# Altium PCB PCB-FPGA.PcbDoc (part 2 of 2) (continued)
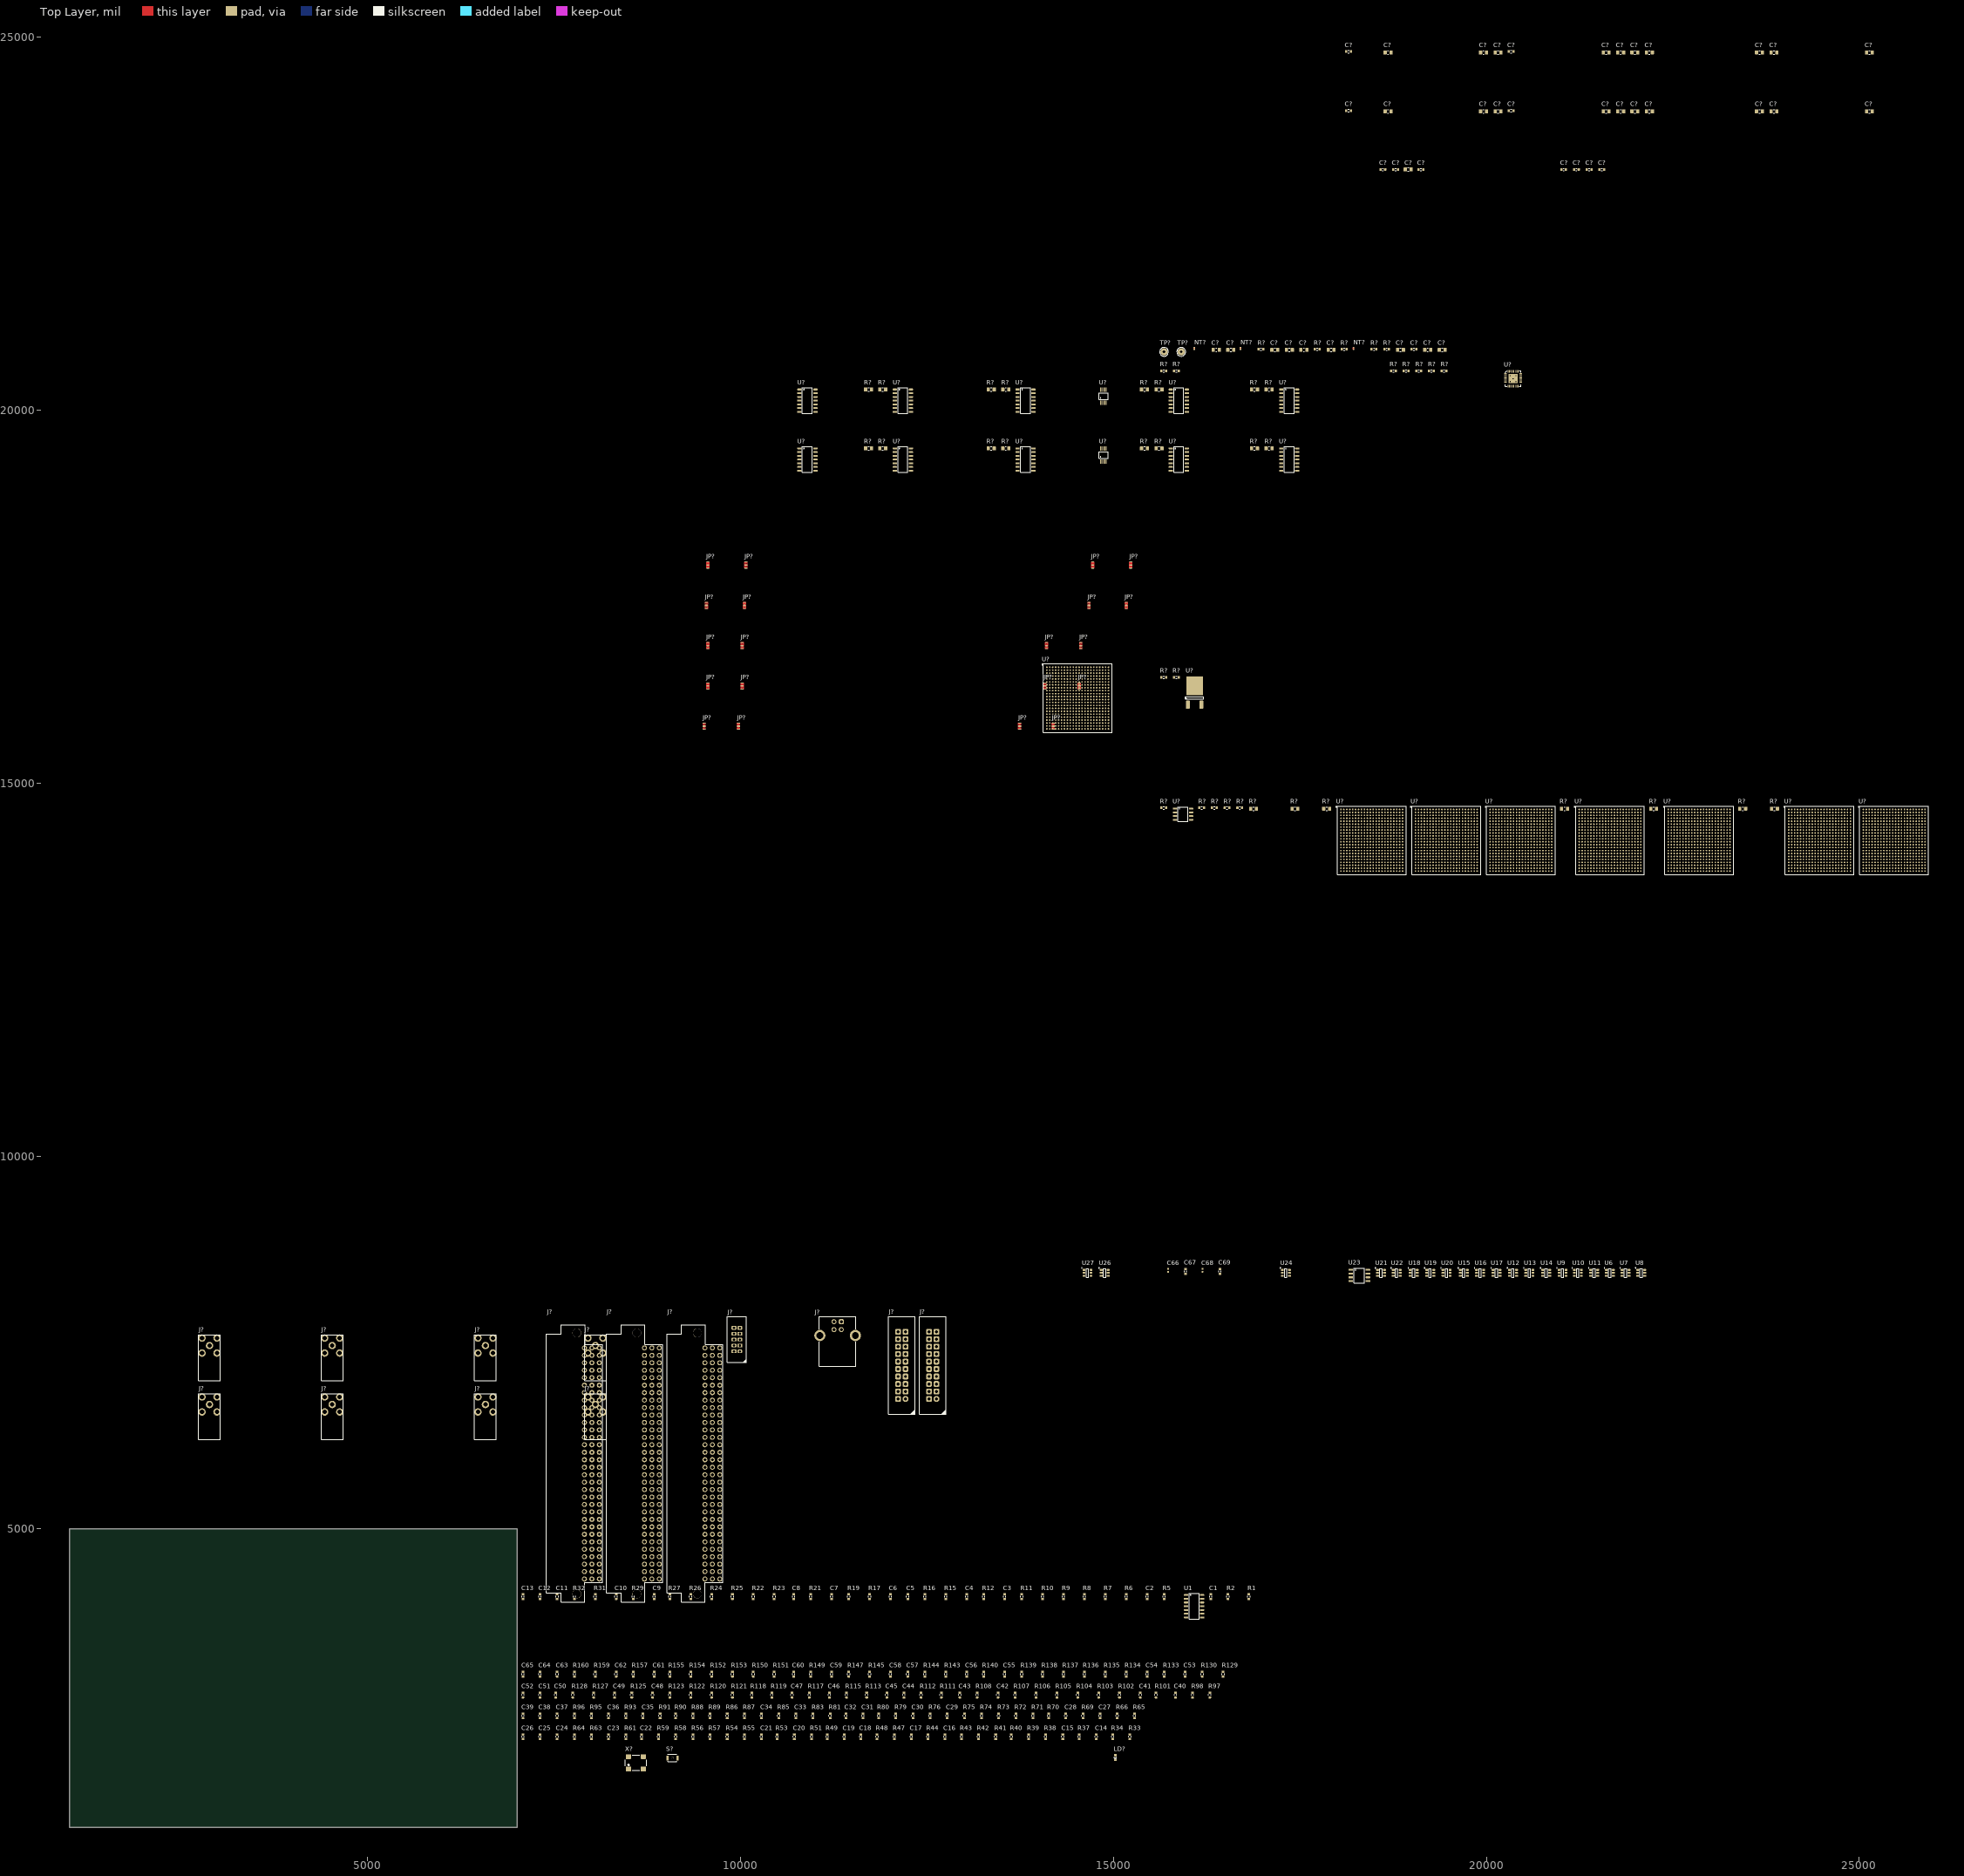
[diagram p0: Top Layer view]
## Nets (pads, with @x,y where several pads share a name; then routed paths per layer and width w, separated by ;. In a path a pad name is that pad's centre, name@x,y a point inside that pad or via, vN(x,y) a via of type N, cw(c..) or ccw(c..) an arc to the next point about the centre after c; other vN are vias at no path point) (continued)
U?.G12@25486.97,14412.17 U?.G13 U?.G14@18560.71,14412.17 U?.G14@19560.71,14412.17 U?.G14@20560.71,14412.17 U?.G14@21755.71,14412.17 U?.G14@22950.71,14412.17 U?.G14@24565.71,14412.17 U?.G14@25565.71,14412.17 U?.G15@14656.65,16319.33 U?.G15@18600.08,14412.17 U?.G15@19600.08,14412.17 U?.G15@20600.08,14412.17 U?.G15@21795.08,14412.17 U?.G15@24605.08,14412.17 U?.G15@25605.08,14412.17 U?.G16 U?.G17 U?.G18@14774.76,16319.33 U?.G18@18718.19,14412.17 U?.G18@19718.19,14412.17 U?.G18@20718.19,14412.17 U?.G18@21913.19,14412.17 U?.G18@23108.19,14412.17 U?.G18@24723.19,14412.17 U?.G19 U?.G20 U?.G21@18836.3,14412.17 U?.G21@19836.3,14412.17 U?.G21@20836.3,14412.17 U?.G21@22031.3,14412.17 U?.G21@23226.3,14412.17 U?.G21@24841.3,14412.17 U?.G21@25841.3,14412.17 U?.G22 U?.H1 U?.H2 U?.H3 U?.H4 U?.H5 U?.H6 U?.H7@14341.69,16279.96 U?.H7@18285.12,14372.8 U?.H7@19285.12,14372.8 U?.H7@20285.12,14372.8 U?.H7@21480.12,14372.8 U?.H7@22675.12,14372.8 U?.H7@24290.12,14372.8 U?.H8 U?.H9@18363.86,14372.8 U?.H9@19363.86,14372.8 U?.H9@20363.86,14372.8 U?.H9@21558.86,14372.8 U?.H9@22753.86,14372.8 U?.H9@24368.86,14372.8 U?.H9@25368.86,14372.8 U?.H10 U?.H11 U?.H12 U?.H13 U?.H14 U?.H15@18600.08,14372.8 U?.H15@19600.08,14372.8 U?.H15@20600.08,14372.8 U?.H15@21795.08,14372.8 U?.H15@22990.08,14372.8 U?.H15@24605.08,14372.8 U?.H15@25605.08,14372.8 U?.H16 U?.H17 U?.H18 U?.H19 U?.H20 U?.H21 U?.H22 U?.J1 U?.J2@14144.84,16240.59 U?.J2@18088.27,14333.43 U?.J2@19088.27,14333.43 U?.J2@20088.27,14333.43 U?.J2@21283.27,14333.43 U?.J2@22478.27,14333.43 U?.J2@24093.27,14333.43 U?.J3 U?.J4 U?.J5@18206.38,14333.43 U?.J5@19206.38,14333.43 U?.J5@20206.38,14333.43 U?.J5@21401.38,14333.43 U?.J5@22596.38,14333.43 U?.J5@24211.38,14333.43 U?.J5@25211.38,14333.43 U?.J6 U?.J7 U?.J8@18324.49,14333.43 U?.J8@19324.49,14333.43 U?.J8@20324.49,14333.43 U?.J8@21519.49,14333.43 U?.J8@22714.49,14333.43 U?.J8@24329.49,14333.43 U?.J8@25329.49,14333.43 U?.J9@14420.43,16240.59 U?.J9@18363.86,14333.43 U?.J9@19363.86,14333.43 U?.J9@20363.86,14333.43 U?.J9@21558.86,14333.43 U?.J9@22753.86,14333.43 U?.J9@24368.86,14333.43 U?.J10@18403.23,14333.43 U?.J10@19403.23,14333.43 U?.J10@20403.23,14333.43 U?.J10@21598.23,14333.43 U?.J10@22793.23,14333.43 U?.J10@24408.23,14333.43 U?.J10@25408.23,14333.43 U?.J11@14499.17,16240.59 U?.J11@18442.6,14333.43 U?.J11@19442.6,14333.43 U?.J11@20442.6,14333.43 U?.J11@21637.6,14333.43 U?.J11@22832.6,14333.43 U?.J11@24447.6,14333.43 U?.J12@18481.97,14333.43 U?.J12@19481.97,14333.43 U?.J12@20481.97,14333.43 U?.J12@21676.97,14333.43 U?.J12@22871.97,14333.43 U?.J12@24486.97,14333.43 U?.J12@25486.97,14333.43 U?.J13@14577.91,16240.59 U?.J13@18521.34,14333.43 U?.J13@19521.34,14333.43 U?.J13@20521.34,14333.43 U?.J13@21716.34,14333.43 U?.J13@22911.34,14333.43 U?.J13@24526.34,14333.43 U?.J14@18560.71,14333.43 U?.J14@19560.71,14333.43 U?.J14@20560.71,14333.43 U?.J14@21755.71,14333.43 U?.J14@22950.71,14333.43 U?.J14@24565.71,14333.43 U?.J14@25565.71,14333.43 U?.J15@14656.65,16240.59 U?.J15@18600.08,14333.43 U?.J15@19600.08,14333.43 U?.J15@20600.08,14333.43 U?.J15@21795.08,14333.43 U?.J15@22990.08,14333.43 U?.J15@24605.08,14333.43 U?.J16 U?.J17 U?.J18@18718.19,14333.43 U?.J18@19718.19,14333.43 U?.J18@20718.19,14333.43 U?.J18@21913.19,14333.43 U?.J18@23108.19,14333.43 U?.J18@24723.19,14333.43 U?.J18@25723.19,14333.43 U?.J19 U?.J20 U?.J21@14892.87,16240.59 U?.J21@18836.3,14333.43 U?.J21@19836.3,14333.43 U?.J21@20836.3,14333.43 U?.J21@22031.3,14333.43 U?.J21@23226.3,14333.43 U?.J21@24841.3,14333.43 U?.J22 U?.K1 U?.K2 U?.K3 U?.K4 U?.K5 U?.K6 U?.K7 U?.K8 U?.K9@18363.86,14294.06 U?.K9@19363.86,14294.06 U?.K9@20363.86,14294.06 U?.K9@21558.86,14294.06 U?.K9@22753.86,14294.06 U?.K9@24368.86,14294.06 U?.K9@25368.86,14294.06 U?.K10@14459.8,16201.22 U?.K10@18403.23,14294.06 U?.K10@19403.23,14294.06 U?.K10@20403.23,14294.06 U?.K10@21598.23,14294.06 U?.K10@22793.23,14294.06 U?.K10@24408.23,14294.06 U?.K11@18442.6,14294.06 U?.K11@19442.6,14294.06 U?.K11@20442.6,14294.06 U?.K11@21637.6,14294.06 U?.K11@22832.6,14294.06 U?.K11@24447.6,14294.06 U?.K11@25447.6,14294.06 U?.K12@14538.54,16201.22 U?.K12@18481.97,14294.06 U?.K12@19481.97,14294.06 U?.K12@20481.97,14294.06 U?.K12@21676.97,14294.06 U?.K12@22871.97,14294.06 U?.K12@24486.97,14294.06 U?.K13@18521.34,14294.06 U?.K13@19521.34,14294.06 U?.K13@20521.34,14294.06 U?.K13@21716.34,14294.06 U?.K13@22911.34,14294.06 U?.K13@24526.34,14294.06 U?.K13@25526.34,14294.06 U?.K14@14617.28,16201.22 U?.K14@18560.71,14294.06 U?.K14@19560.71,14294.06 U?.K14@20560.71,14294.06 U?.K14@21755.71,14294.06 U?.K14@22950.71,14294.06 U?.K14@24565.71,14294.06 U?.K15@18600.08,14294.06 U?.K15@19600.08,14294.06 U?.K15@20600.08,14294.06 U?.K15@21795.08,14294.06 U?.K15@22990.08,14294.06 U?.K15@24605.08,14294.06 U?.K15@25605.08,14294.06 U?.K16 U?.K17 U?.K18 U?.K19 U?.K20 U?.K21 U?.K22 U?.L1 U?.L2@18088.27,14254.68 U?.L2@19088.27,14254.68 U?.L2@20088.27,14254.68 U?.L2@21283.27,14254.68 U?.L2@22478.27,14254.68 U?.L2@24093.27,14254.68 U?.L2@25093.27,14254.68 U?.L3 U?.L4 U?.L5@14262.95,16161.85 U?.L5@18206.38,14254.68 U?.L5@19206.38,14254.68 U?.L5@20206.38,14254.68 U?.L5@21401.38,14254.68 U?.L5@22596.38,14254.68 U?.L5@24211.38,14254.68 U?.L6 U?.L7@18285.12,14254.68 U?.L7@19285.12,14254.68 U?.L7@20285.12,14254.68 U?.L7@21480.12,14254.68 U?.L7@22675.12,14254.68 U?.L7@24290.12,14254.68 U?.L7@25290.12,14254.68 U?.L8@18324.49,14254.68 U?.L8@19324.49,14254.68 U?.L8@20324.49,14254.68 U?.L8@21519.49,14254.68 U?.L8@22714.49,14254.68 U?.L8@24329.49,14254.68 U?.L8@25329.49,14254.68 U?.L9@14420.43,16161.85 U?.L9@18363.86,14254.68 U?.L9@19363.86,14254.68 U?.L9@20363.86,14254.68 U?.L9@21558.86,14254.68 U?.L9@22753.86,14254.68 U?.L9@24368.86,14254.68 U?.L10@18403.23,14254.68 U?.L10@19403.23,14254.68 U?.L10@20403.23,14254.68 U?.L10@21598.23,14254.68 U?.L10@22793.23,14254.68 U?.L10@24408.23,14254.68 U?.L10@25408.23,14254.68 U?.L11@14499.17,16161.85 U?.L11@18442.6,14254.68 U?.L11@19442.6,14254.68 U?.L11@20442.6,14254.68 U?.L11@21637.6,14254.68 U?.L11@22832.6,14254.68 U?.L11@24447.6,14254.68 U?.L12@18481.97,14254.68 U?.L12@19481.97,14254.68 U?.L12@20481.97,14254.68 U?.L12@21676.97,14254.68 U?.L12@22871.97,14254.68 U?.L12@24486.97,14254.68 U?.L12@25486.97,14254.68 U?.L13@14577.91,16161.85 U?.L13@18521.34,14254.68 U?.L13@19521.34,14254.68 U?.L13@20521.34,14254.68 U?.L13@21716.34,14254.68 U?.L13@22911.34,14254.68 U?.L13@24526.34,14254.68 U?.L14@18560.71,14254.68 U?.L14@19560.71,14254.68 U?.L14@20560.71,14254.68 U?.L14@21755.71,14254.68 U?.L14@22950.71,14254.68 U?.L14@24565.71,14254.68 U?.L14@25565.71,14254.68 U?.L15 U?.L16@18639.45,14254.68 U?.L16@19639.45,14254.68 U?.L16@20639.45,14254.68 U?.L16@21834.45,14254.68 U?.L16@23029.45,14254.68 U?.L16@24644.45,14254.68 U?.L16@25644.45,14254.68 U?.L17 U?.L18@14774.76,16161.85 U?.L18@18718.19,14254.68 U?.L18@19718.19,14254.68 U?.L18@20718.19,14254.68 U?.L18@21913.19,14254.68 U?.L18@23108.19,14254.68 U?.L18@24723.19,14254.68 U?.L19 U?.L20 U?.L21@18836.3,14254.68 U?.L21@19836.3,14254.68 U?.L21@20836.3,14254.68 U?.L21@22031.3,14254.68 U?.L21@23226.3,14254.68 U?.L21@24841.3,14254.68 U?.L21@25841.3,14254.68 U?.L22 U?.M1 U?.M2 U?.M3 U?.M4 U?.M5 U?.M6 U?.M7 U?.M8 U?.M9@18363.86,14215.32 U?.M9@19363.86,14215.32 U?.M9@20363.86,14215.32 U?.M9@21558.86,14215.32 U?.M9@22753.86,14215.32 U?.M9@24368.86,14215.32 U?.M9@25368.86,14215.32 U?.M10@14459.8,16122.48 U?.M10@18403.23,14215.32 U?.M10@19403.23,14215.32 U?.M10@20403.23,14215.32 U?.M10@21598.23,14215.32 U?.M10@22793.23,14215.32 U?.M10@24408.23,14215.32 U?.M11@18442.6,14215.32 U?.M11@19442.6,14215.32 U?.M11@20442.6,14215.32 U?.M11@21637.6,14215.32 U?.M11@22832.6,14215.32 U?.M11@24447.6,14215.32 U?.M11@25447.6,14215.32 U?.M12@14538.54,16122.48 U?.M12@18481.97,14215.32 U?.M12@19481.97,14215.32 U?.M12@20481.97,14215.32 U?.M12@21676.97,14215.32 U?.M12@22871.97,14215.32 U?.M12@24486.97,14215.32 U?.M13@18521.34,14215.32 U?.M13@19521.34,14215.32 U?.M13@20521.34,14215.32 U?.M13@21716.34,14215.32 U?.M13@22911.34,14215.32 U?.M13@24526.34,14215.32 U?.M13@25526.34,14215.32 U?.M14@14617.28,16122.48 U?.M14@18560.71,14215.32 U?.M14@19560.71,14215.32 U?.M14@20560.71,14215.32 U?.M14@21755.71,14215.32 U?.M14@22950.71,14215.32 U?.M14@24565.71,14215.32 U?.M15@18600.08,14215.32 U?.M15@19600.08,14215.32 U?.M15@20600.08,14215.32 U?.M15@21795.08,14215.32 U?.M15@22990.08,14215.32 U?.M15@24605.08,14215.32 U?.M15@25605.08,14215.32 U?.M16 U?.M17 U?.M18 U?.M19 U?.M20 U?.M21 U?.M22 U?.N1 U?.N2@14144.84,16083.11 U?.N2@18088.27,14175.94 U?.N2@19088.27,14175.94 U?.N2@20088.27,14175.94 U?.N2@21283.27,14175.94 U?.N2@22478.27,14175.94 U?.N2@24093.27,14175.94 U?.N3 U?.N4 U?.N5@18206.38,14175.94 U?.N5@19206.38,14175.94 U?.N5@20206.38,14175.94 U?.N5@21401.38,14175.94 U?.N5@22596.38,14175.94 U?.N5@24211.38,14175.94 U?.N5@25211.38,14175.94 U?.N6 U?.N7 U?.N8@18324.49,14175.94 U?.N8@19324.49,14175.94 U?.N8@20324.49,14175.94 U?.N8@21519.49,14175.94 U?.N8@22714.49,14175.94 U?.N8@24329.49,14175.94 U?.N8@25329.49,14175.94 U?.N9@14420.43,16083.11 U?.N9@18363.86,14175.94 U?.N9@19363.86,14175.94 U?.N9@20363.86,14175.94 U?.N9@21558.86,14175.94 U?.N9@22753.86,14175.94 U?.N9@24368.86,14175.94 U?.N10@18403.23,14175.94 U?.N10@19403.23,14175.94 U?.N10@20403.23,14175.94 U?.N10@21598.23,14175.94 U?.N10@22793.23,14175.94 U?.N10@24408.23,14175.94 U?.N10@25408.23,14175.94 U?.N11@14499.17,16083.11 U?.N11@18442.6,14175.94 U?.N11@19442.6,14175.94 U?.N11@20442.6,14175.94 U?.N11@21637.6,14175.94 U?.N11@22832.6,14175.94 U?.N11@24447.6,14175.94 U?.N12@18481.97,14175.94 U?.N12@19481.97,14175.94 U?.N12@20481.97,14175.94 U?.N12@21676.97,14175.94 U?.N12@22871.97,14175.94 U?.N12@24486.97,14175.94 U?.N12@25486.97,14175.94 U?.N13@14577.91,16083.11 U?.N13@18521.34,14175.94 U?.N13@19521.34,14175.94 U?.N13@20521.34,14175.94 U?.N13@21716.34,14175.94 U?.N13@22911.34,14175.94 U?.N13@24526.34,14175.94 U?.N14@18560.71,14175.94 U?.N14@19560.71,14175.94 U?.N14@20560.71,14175.94 U?.N14@21755.71,14175.94 U?.N14@22950.71,14175.94 U?.N14@24565.71,14175.94 U?.N14@25565.71,14175.94 U?.N15@14656.65,16083.11 U?.N15@18600.08,14175.94 U?.N15@19600.08,14175.94 U?.N15@20600.08,14175.94 U?.N15@21795.08,14175.94 U?.N15@24605.08,14175.94 U?.N15@25605.08,14175.94 U?.N16 U?.N17@14735.39,16083.11 U?.N17@18678.82,14175.94 U?.N17@19678.82,14175.94 U?.N17@20678.82,14175.94 U?.N17@21873.82,14175.94 U?.N17@23068.82,14175.94 U?.N17@24683.82,14175.94 U?.N18@18718.19,14175.94 U?.N18@19718.19,14175.94 U?.N18@20718.19,14175.94 U?.N18@21913.19,14175.94 U?.N18@23108.19,14175.94 U?.N18@24723.19,14175.94 U?.N18@25723.19,14175.94 U?.N19 U?.N20 U?.N21@14892.87,16083.11 U?.N21@18836.3,14175.94 U?.N21@19836.3,14175.94 U?.N21@20836.3,14175.94 U?.N21@22031.3,14175.94 U?.N21@23226.3,14175.94 U?.N21@24841.3,14175.94 U?.N22 U?.P1 U?.P2 U?.P3 U?.P4 U?.P5 U?.P6 U?.P7 U?.P8 U?.P9@18363.86,14136.57 U?.P9@19363.86,14136.57 U?.P9@20363.86,14136.57 U?.P9@21558.86,14136.57 U?.P9@22753.86,14136.57 U?.P9@24368.86,14136.57 U?.P9@25368.86,14136.57 U?.P10@14459.8,16043.74 U?.P10@18403.23,14136.57 U?.P10@19403.23,14136.57 U?.P10@20403.23,14136.57 U?.P10@21598.23,14136.57 U?.P10@22793.23,14136.57 U?.P10@24408.23,14136.57 U?.P11@18442.6,14136.57 U?.P11@19442.6,14136.57 U?.P11@20442.6,14136.57 U?.P11@21637.6,14136.57 U?.P11@22832.6,14136.57 U?.P11@24447.6,14136.57 U?.P11@25447.6,14136.57 U?.P12@14538.54,16043.74 U?.P12@18481.97,14136.57 U?.P12@19481.97,14136.57 U?.P12@20481.97,14136.57 U?.P12@21676.97,14136.57 U?.P12@22871.97,14136.57 U?.P12@24486.97,14136.57 U?.P13@18521.34,14136.57 U?.P13@19521.34,14136.57 U?.P13@20521.34,14136.57 U?.P13@21716.34,14136.57 U?.P13@22911.34,14136.57 U?.P13@24526.34,14136.57 U?.P13@25526.34,14136.57 U?.P14@14617.28,16043.74 U?.P14@18560.71,14136.57 U?.P14@19560.71,14136.57 U?.P14@20560.71,14136.57 U?.P14@21755.71,14136.57 U?.P14@22950.71,14136.57 U?.P14@24565.71,14136.57 U?.P15@14656.65,16043.74 U?.P15@18600.08,14136.57 U?.P15@19600.08,14136.57 U?.P15@20600.08,14136.57 U?.P15@21795.08,14136.57 U?.P15@24605.08,14136.57 U?.P15@25605.08,14136.57 U?.P16@14696.02,16043.74 U?.P16@18639.45,14136.57 U?.P16@19639.45,14136.57 U?.P16@20639.45,14136.57 U?.P16@21834.45,14136.57 U?.P16@24644.45,14136.57 U?.P16@25644.45,14136.57 U?.P17 U?.P18 U?.P19 U?.P20 U?.P21 U?.P22 U?.R1 U?.R2@18088.27,14097.2 U?.R2@19088.27,14097.2 U?.R2@20088.27,14097.2 U?.R2@21283.27,14097.2 U?.R2@22478.27,14097.2 U?.R2@24093.27,14097.2 U?.R2@25093.27,14097.2 U?.R3 U?.R4 U?.R5@14262.95,16004.37 U?.R5@18206.38,14097.2 U?.R5@19206.38,14097.2 U?.R5@20206.38,14097.2 U?.R5@21401.38,14097.2 U?.R5@22596.38,14097.2 U?.R5@24211.38,14097.2 U?.R6@18245.75,14097.2 U?.R6@19245.75,14097.2 U?.R6@20245.75,14097.2 U?.R6@21440.75,14097.2 U?.R6@22635.75,14097.2 U?.R6@24250.75,14097.2 U?.R6@25250.75,14097.2 U?.R7 U?.R8 U?.R9 U?.R10@18403.23,14097.2 U?.R10@19403.23,14097.2 U?.R10@20403.23,14097.2 U?.R10@21598.23,14097.2 U?.R10@22793.23,14097.2 U?.R10@24408.23,14097.2 U?.R10@25408.23,14097.2 U?.R11 U?.R12@18481.97,14097.2 U?.R12@19481.97,14097.2 U?.R12@20481.97,14097.2 U?.R12@21676.97,14097.2 U?.R12@22871.97,14097.2 U?.R12@24486.97,14097.2 U?.R12@25486.97,14097.2 U?.R13 U?.R14@18560.71,14097.2 U?.R14@19560.71,14097.2 U?.R14@20560.71,14097.2 U?.R14@21755.71,14097.2 U?.R14@22950.71,14097.2 U?.R14@24565.71,14097.2 U?.R14@25565.71,14097.2 U?.R15 U?.R16 U?.R17@18678.82,14097.2 U?.R17@19678.82,14097.2 U?.R17@20678.82,14097.2 U?.R17@21873.82,14097.2 U?.R17@23068.82,14097.2 U?.R17@24683.82,14097.2 U?.R17@25683.82,14097.2 U?.R18@14774.76,16004.37 U?.R18@18718.19,14097.2 U?.R18@19718.19,14097.2 U?.R18@20718.19,14097.2 U?.R18@21913.19,14097.2 U?.R18@23108.19,14097.2 U?.R18@24723.19,14097.2 U?.R19 U?.R20 U?.R21@18836.3,14097.2 U?.R21@19836.3,14097.2 U?.R21@20836.3,14097.2 U?.R21@22031.3,14097.2 U?.R21@23226.3,14097.2 U?.R21@24841.3,14097.2 U?.R21@25841.3,14097.2 U?.R22 U?.T1 U?.T2 U?.T3 U?.T4 U?.T5 U?.T6 U?.T7 U?.T8 U?.T9@18363.86,14057.83 U?.T9@19363.86,14057.83 U?.T9@20363.86,14057.83 U?.T9@21558.86,14057.83 U?.T9@22753.86,14057.83 U?.T9@24368.86,14057.83 U?.T9@25368.86,14057.83 U?.T10 U?.T11 U?.T12 U?.T13@18521.34,14057.83 U?.T13@19521.34,14057.83 U?.T13@20521.34,14057.83 U?.T13@21716.34,14057.83 U?.T13@22911.34,14057.83 U?.T13@24526.34,14057.83 U?.T13@25526.34,14057.83 U?.T14 U?.T15 U?.T16 U?.T17 U?.T18 U?.T19 U?.T20 U?.T21 U?.T22 U?.U1 U?.U2@14144.84,15925.63 U?.U2@18088.27,14018.46 U?.U2@19088.27,14018.46 U?.U2@20088.27,14018.46 U?.U2@21283.27,14018.46 U?.U2@22478.27,14018.46 U?.U2@24093.27,14018.46 U?.U3 U?.U4 U?.U5@18206.38,14018.46 U?.U5@19206.38,14018.46 U?.U5@20206.38,14018.46 U?.U5@21401.38,14018.46 U?.U5@22596.38,14018.46 U?.U5@24211.38,14018.46 U?.U5@25211.38,14018.46 U?.U6 U?.U7@14341.69,15925.63 U?.U7@18285.12,14018.46 U?.U7@19285.12,14018.46 U?.U7@20285.12,14018.46 U?.U7@21480.12,14018.46 U?.U7@22675.12,14018.46 U?.U7@24290.12,14018.46 U?.U8 U?.U9 U?.U10 U?.U11@18442.6,14018.46 U?.U11@19442.6,14018.46 U?.U11@20442.6,14018.46 U?.U11@21637.6,14018.46 U?.U11@22832.6,14018.46 U?.U11@24447.6,14018.46 U?.U11@25447.6,14018.46 U?.U12 U?.U13 U?.U14 U?.U15 U?.U16 U?.U17 U?.U18@18718.19,14018.46 U?.U18@19718.19,14018.46 U?.U18@20718.19,14018.46 U?.U18@21913.19,14018.46 U?.U18@23108.19,14018.46 U?.U18@24723.19,14018.46 U?.U18@25723.19,14018.46 U?.U19 U?.U20 U?.U21@14892.87,15925.63 U?.U21@18836.3,14018.46 U?.U21@19836.3,14018.46 U?.U21@20836.3,14018.46 U?.U21@22031.3,14018.46 U?.U21@23226.3,14018.46 U?.U21@24841.3,14018.46 U?.U22 U?.V1 U?.V2 U?.V3 U?.V4@14223.58,15886.26 U?.V4@18167.01,13979.09 U?.V4@19167.01,13979.09 U?.V4@20167.01,13979.09 U?.V4@21362.01,13979.09 U?.V4@22557.01,13979.09 U?.V4@24172.01,13979.09 U?.V5 U?.V6@18245.75,13979.09 U?.V6@19245.75,13979.09 U?.V6@20245.75,13979.09 U?.V6@21440.75,13979.09 U?.V6@22635.75,13979.09 U?.V6@24250.75,13979.09 U?.V6@25250.75,13979.09 U?.V7 U?.V8@18324.49,13979.09 U?.V8@19324.49,13979.09 U?.V8@20324.49,13979.09 U?.V8@21519.49,13979.09 U?.V8@22714.49,13979.09 U?.V8@24329.49,13979.09 U?.V8@25329.49,13979.09 U?.V9 U?.V10@14459.8,15886.26 U?.V10@18403.23,13979.09 U?.V10@19403.23,13979.09 U?.V10@20403.23,13979.09 U?.V10@21598.23,13979.09 U?.V10@22793.23,13979.09 U?.V10@24408.23,13979.09 U?.V11 U?.V12@18481.97,13979.09 U?.V12@19481.97,13979.09 U?.V12@20481.97,13979.09 U?.V12@21676.97,13979.09 U?.V12@22871.97,13979.09 U?.V12@24486.97,13979.09 U?.V12@25486.97,13979.09 U?.V13 U?.V14@14617.28,15886.26 U?.V14@18560.71,13979.09 U?.V14@19560.71,13979.09 U?.V14@20560.71,13979.09 U?.V14@21755.71,13979.09 U?.V14@22950.71,13979.09 U?.V14@24565.71,13979.09 U?.V15 U?.V16@18639.45,13979.09 U?.V16@19639.45,13979.09 U?.V16@20639.45,13979.09 U?.V16@21834.45,13979.09 U?.V16@23029.45,13979.09 U?.V16@24644.45,13979.09 U?.V16@25644.45,13979.09 U?.V17 U?.V18 U?.V19 U?.V20 U?.V21 U?.V22 U?.W1 U?.W2@18088.27,13939.72 U?.W2@19088.27,13939.72 U?.W2@20088.27,13939.72 U?.W2@21283.27,13939.72 U?.W2@22478.27,13939.72 U?.W2@24093.27,13939.72 U?.W2@25093.27,13939.72 U?.W3 U?.W4 U?.W5@18206.38,13939.72 U?.W5@19206.38,13939.72 U?.W5@20206.38,13939.72 U?.W5@21401.38,13939.72 U?.W5@22596.38,13939.72 U?.W5@24211.38,13939.72 U?.W5@25211.38,13939.72 U?.W6 U?.W7@14341.69,15846.89 U?.W7@18285.12,13939.72 U?.W7@19285.12,13939.72 U?.W7@20285.12,13939.72 U?.W7@21480.12,13939.72 U?.W7@22675.12,13939.72 U?.W7@24290.12,13939.72 U?.W8 U?.W9 U?.W10 U?.W11 U?.W12 U?.W13 U?.W14 U?.W15 U?.W16@14696.02,15846.89 U?.W16@18639.45,13939.72 U?.W16@19639.45,13939.72 U?.W16@20639.45,13939.72 U?.W16@21834.45,13939.72 U?.W16@23029.45,13939.72 U?.W16@24644.45,13939.72 U?.W17 U?.W18 U?.W19@14814.13,15846.89 U?.W19@18757.56,13939.72 U?.W19@19757.56,13939.72 U?.W19@20757.56,13939.72 U?.W19@21952.56,13939.72 U?.W19@23147.56,13939.72 U?.W19@24762.56,13939.72 U?.W20 U?.W21@18836.3,13939.72 U?.W21@19836.3,13939.72 U?.W21@20836.3,13939.72 U?.W21@22031.3,13939.72 U?.W21@23226.3,13939.72 U?.W21@24841.3,13939.72 U?.W21@25841.3,13939.72 U?.W22 U?.Y1 U?.Y2 U?.Y3 U?.Y4 U?.Y5 U?.Y6 U?.Y7 U?.Y8 U?.Y9 U?.Y10 U?.Y11 U?.Y12 U?.Y13 U?.Y14 U?.Y15 U?.Y16 U?.Y17 U?.Y18 U?.Y19 U?.Y20 U?.Y21 U?.Y22@14932.24,15807.52 U?.Y22@18875.67,13900.35 U?.Y22@19875.67,13900.35 U?.Y22@20875.67,13900.35 U?.Y22@22070.67,13900.35 U?.Y22@24880.67,13900.35 U?.Y22@25880.67,13900.35
copper on no net:
  other v1: 20317.91,20385.63 20396.65,20385.63 20357.28,20425 20317.91,20464.37 20396.65,20464.37